# Altium PCB RTM_SFP.PcbDoc (part 1 of 7) (continued)
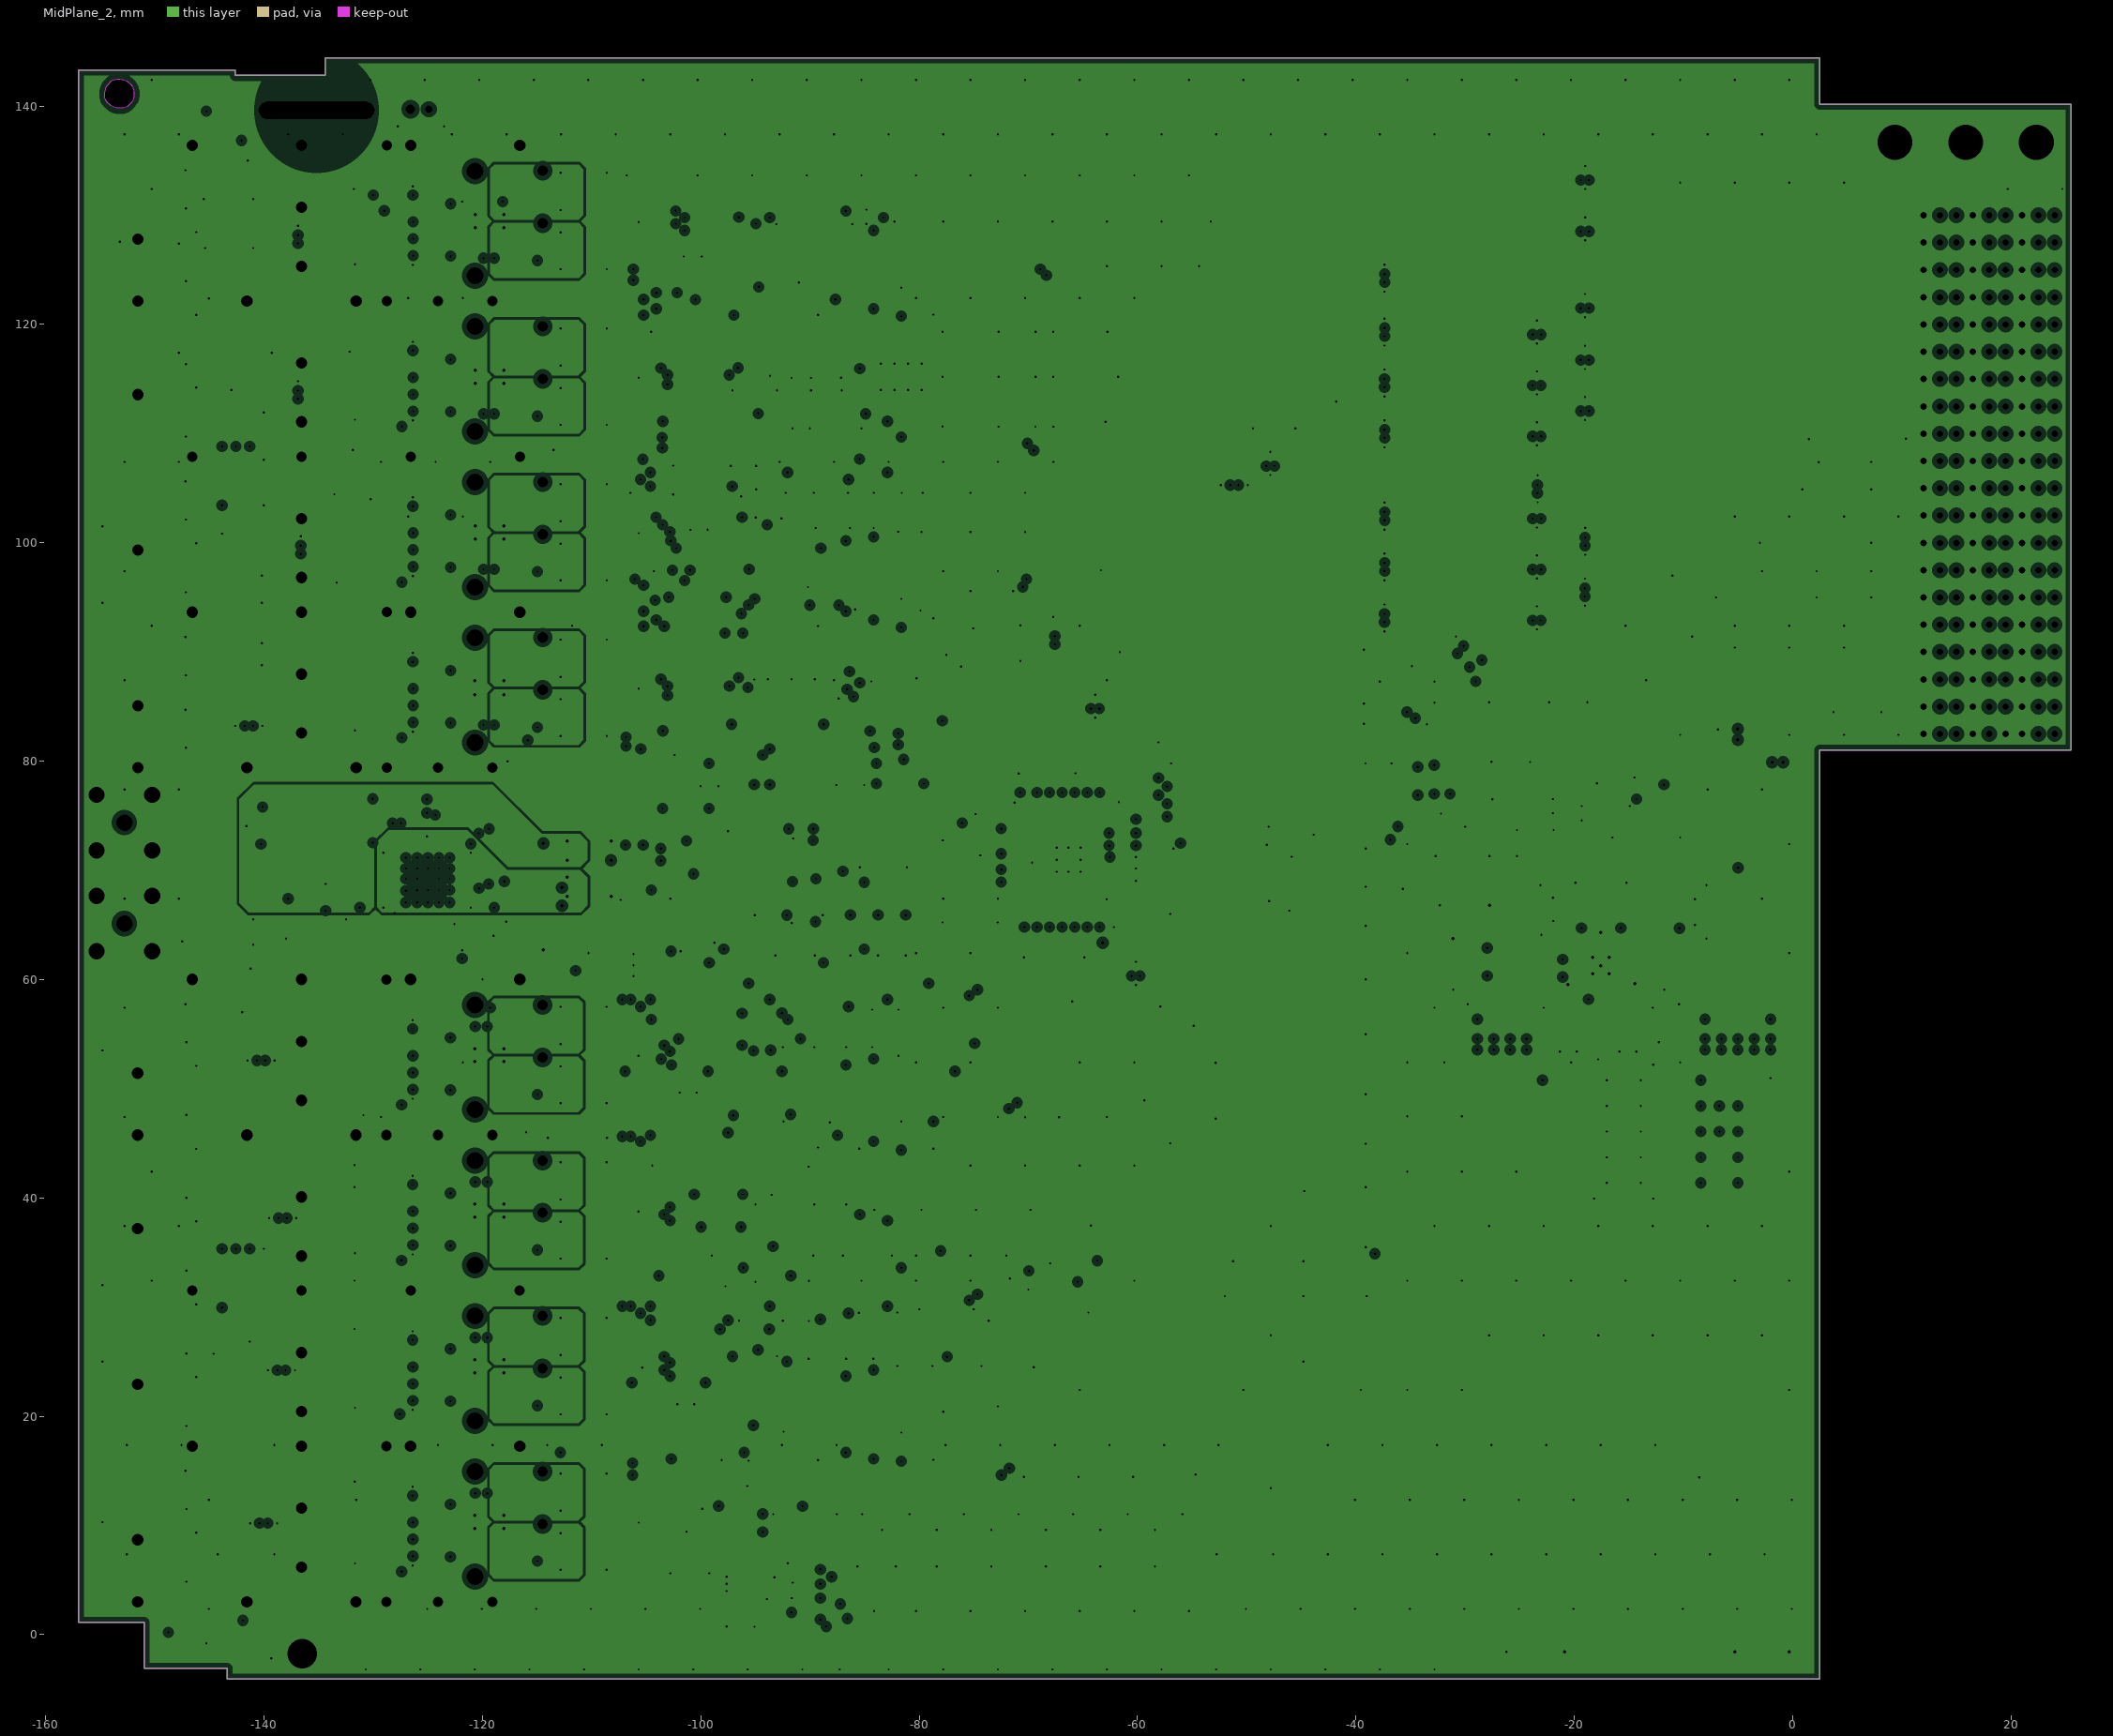
[diagram p3: MidPlane_2, clearances drawn from the general rule]
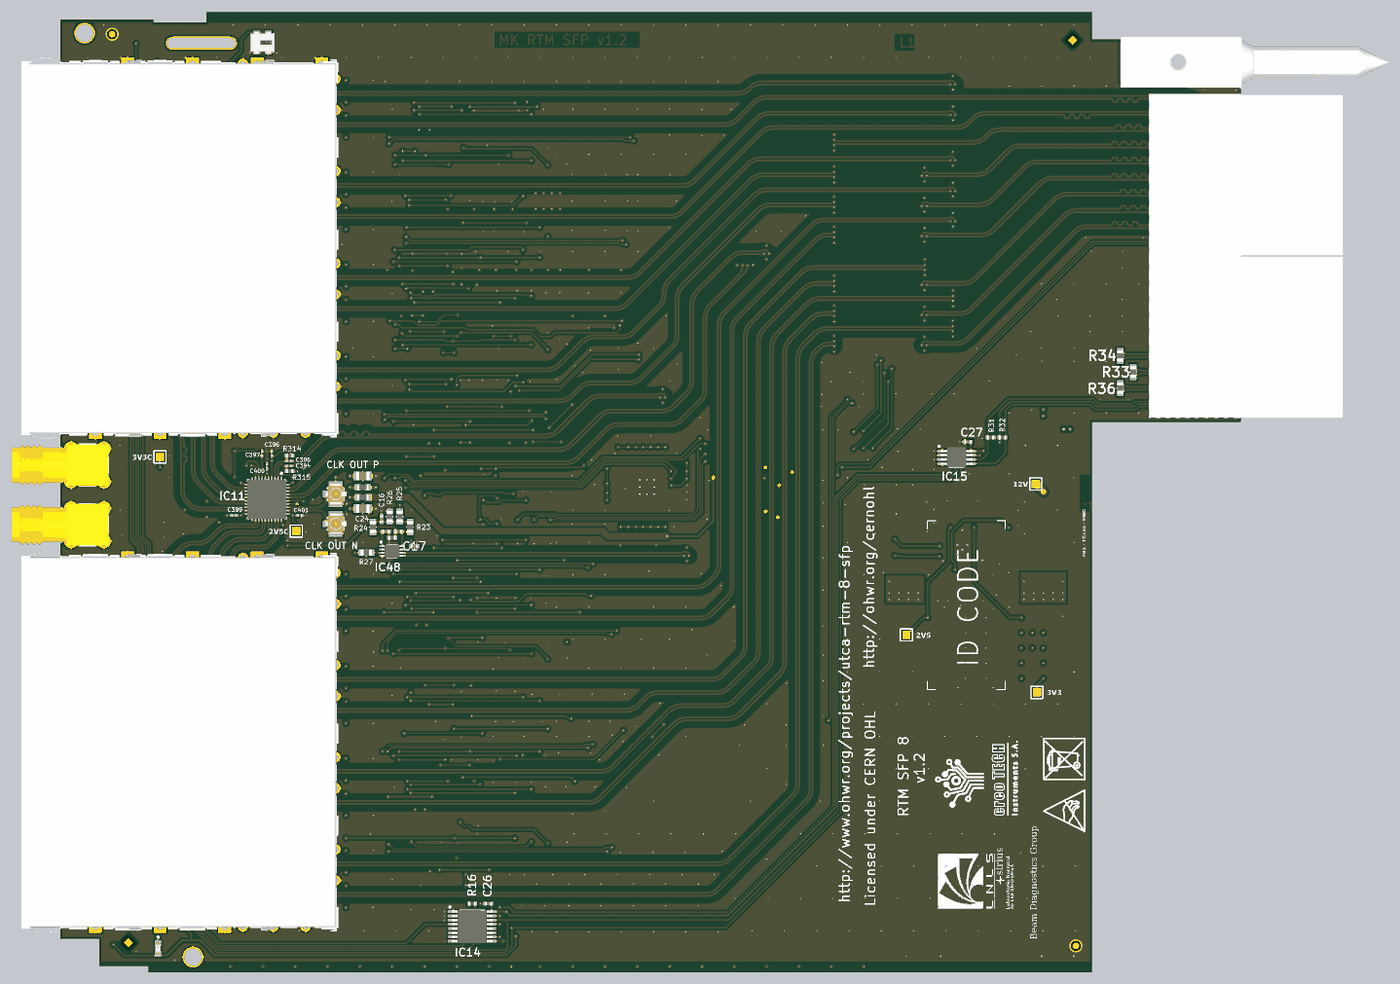
[diagram p10: 3D render of the assembled board from above, using the file's embedded part models]
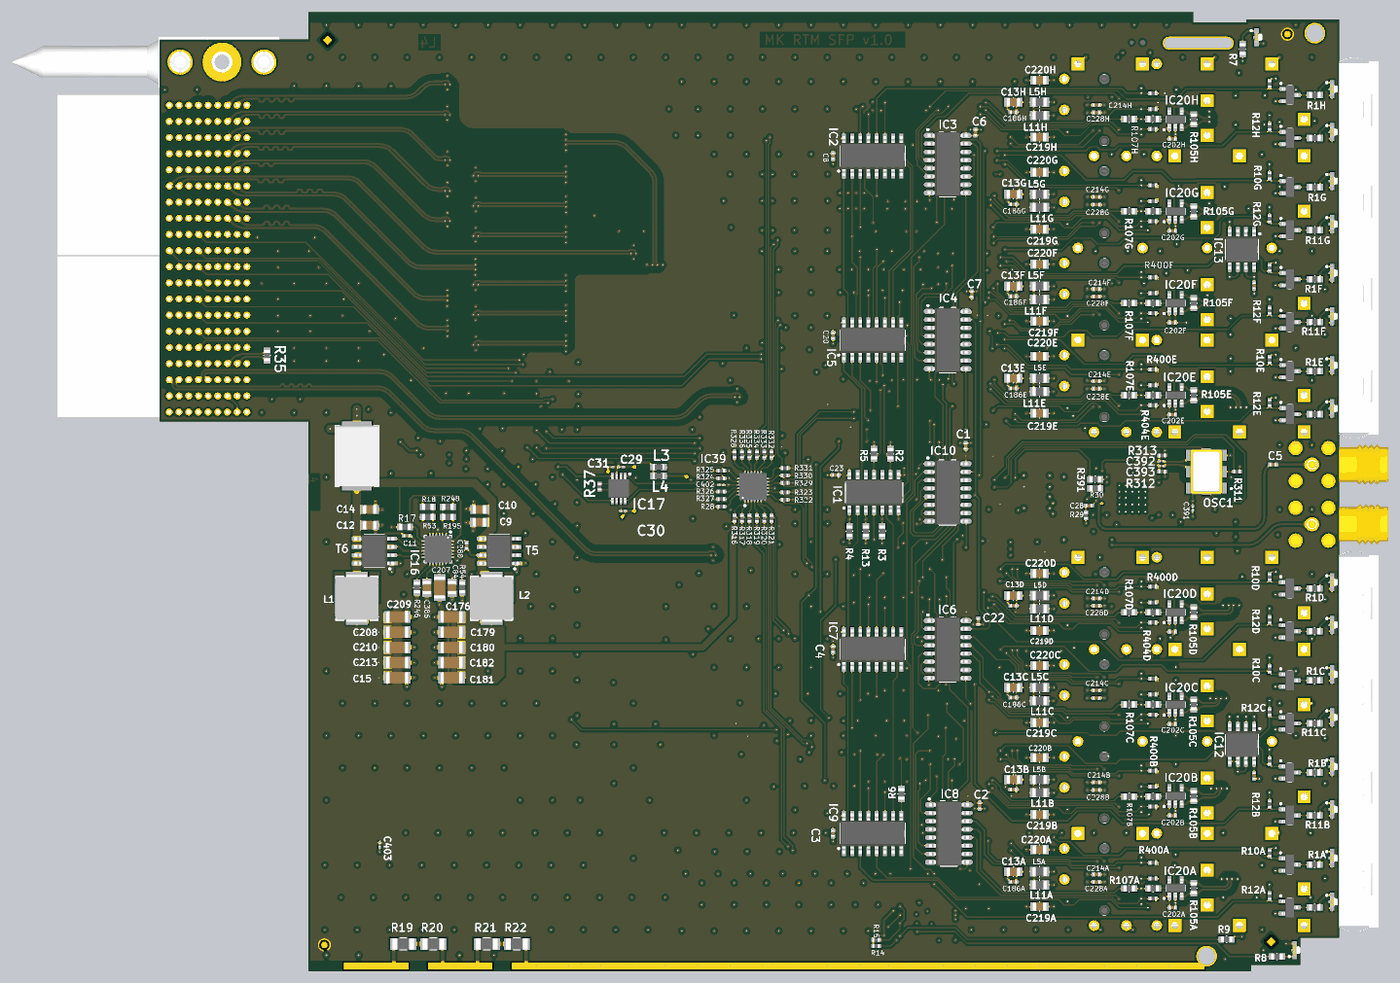
[diagram p11: 3D render of the assembled board from below, using the file's embedded part models]

## Layer stack, top to bottom
Top Solder: solder mask 0.0102, Solder Resist, Dk 3.5
Top Layer: signal copper 0.0356
Dielectric1: prepreg 0.36, FR-4, Dk 4.8
MidPlane_1: plane copper 0.0356, net (Multiple Nets)
Dielectric3: core 0.254, FR-4, Dk 4.2
MidPlane_2: plane copper 0.0356, net (Multiple Nets)
Dielectric2: prepreg 0.127, FR-4, Dk 4.2
Bottom Layer: signal copper 0.0356
Bottom Solder: solder mask 0.0102, Solder Resist, Dk 3.5

## Board outline
-151.001,-3.088 -151.001,1.111 -157,1.111 -157,143.313 -142.639,143.313 -142.639,142.812 -134.399,142.812 -134.399,144.413 2.499,144.413 2.499,140.161 25.499,140.161 25.499,81.012 2.499,81.012 2.499,-4.089 -143.401,-4.089 -143.401,-3.088
cut-out: -153.221,142.469 cw(c-153.221,141.169) -152.301,142.088 cw(c-153.221,141.169) -151.92,141.169 -151.92,141.072 cw(c-153.147,141.072) -152.28,140.205 -152.428,140.056 cw(c-153.042,140.67) -153.042,139.802 -153.317,139.802 cw(c-153.317,141.029) -154.185,140.162 -154.333,140.31 cw(c-153.72,140.924) -154.587,140.924 -154.587,141.199 cw(c-153.361,141.199) -154.228,142.067 -154.079,142.215 cw(c-153.466,141.602) -153.466,142.469

## Design rules (kind name [scope] priority, off if disabled: settings)
Clearance Clearance_KO [OnLayer('Keep-Out Layer')] p1: gap=0.254 ignorepadtopadclearanceinfootprint=FALSE except(0: Arc-Hole Track-Hole SMDPad-Hole THPad-Hole Via-Hole Fill-Hole Poly-Hole Region-Hole Text-Hole)
Clearance Clearance_Poly_DS [(InDifferentialPairClass('All Differential Pairs')) vs InPolygon] p2: gap=1.016 ignorepadtopadclearanceinfootprint=FALSE except(0: Arc-Hole Track-Hole SMDPad-Hole THPad-Hole Via-Hole Fill-Hole Poly-Hole Region-Hole Text-Hole)
Clearance Clearance_Poly [InPolygon] p3: gap=0.3 ignorepadtopadclearanceinfootprint=FALSE except(0: Arc-Hole Track-Hole SMDPad-Hole THPad-Hole Via-Hole Fill-Hole Poly-Hole Region-Hole Text-Hole)
Clearance Clearance_DS&CLK [(InNet('SFP_CLK*') OR InNet('FPGA_CLK*'))] p4: gap=0.152 ignorepadtopadclearanceinfootprint=FALSE except(0: Arc-Hole Track-Hole SMDPad-Hole THPad-Hole Via-Hole Fill-Hole Poly-Hole Region-Hole Text-Hole)
Clearance Clearance_DS&RTM [WithinRoom('U_RTM_Connectors')] p5: gap=0.152 ignorepadtopadclearanceinfootprint=FALSE except(0: Arc-Hole Track-Hole SMDPad-Hole THPad-Hole Via-Hole Fill-Hole Poly-Hole Region-Hole Text-Hole)
Clearance Clearance_DS [All] p6: gap=1.27 ignorepadtopadclearanceinfootprint=FALSE except(0: Arc-Hole Track-Hole SMDPad-Hole THPad-Hole Via-Hole Fill-Hole Poly-Hole Region-Hole Text-Hole)
Clearance [All] p7: gap=0.152 ignorepadtopadclearanceinfootprint=FALSE except(0: Arc-Hole Track-Hole SMDPad-Hole THPad-Hole Via-Hole Fill-Hole Poly-Hole Region-Hole Text-Hole)
DiffPairsRouting [All] p1: maxlimit=0.152 minlimit=0.152 mostfreqgap=0.152 toplayer_minwidth=0.305 toplayer_maxwidth=0.381 toplayer_prefwidth=0.381 bottomlayer_minwidth=0.305 bottomlayer_maxwidth=0.381 bottomlayer_prefwidth=0.381 maxuncoupledlength=12.7
HoleSize [All] p1: absolutevalues=TRUE maxlimit=12 minlimit=0.025 maxpercent=80.000 minpercent=20.000
MinimumSolderMaskSliver [All] p1: minsoldermaskwidth=0
PlaneClearance [All] p1: clearance=0.425
PlaneConnect PlaneConnect_Via [IsVia] p1: planeconnectstyle=Direct reliefexpansion=0.508 reliefentries=4 reliefconductorwidth=0.254 reliefairgap=0.254
PlaneConnect [All] p2: planeconnectstyle=Relief reliefexpansion=0.254 reliefentries=4 reliefconductorwidth=0.254 reliefairgap=0.254
PolygonConnect PolygonConnect_Via [IsVia] p1: connectstyle=Direct reliefconductorwidth=0.254 reliefentries=4 polygonreliefangle="90 Angle" airgapwidth=0.254
PolygonConnect [All] p2: connectstyle=Relief reliefconductorwidth=0.254 reliefentries=4 polygonreliefangle="90 Angle" airgapwidth=0.254
RoomDefinition U_PWR [InComponentClass('U_PWR')] p1: confinementstyle=ConfineIn formatcopy=TRUE lockcomponents=FALSE outline -31.08,44.131 0.59,44.131 0.59,68.871 -31.08,68.871
RoomDefinition RTM_SFP_TOP [InComponentClass('RTM_SFP_TOP')] p2: confinementstyle=ConfineIn formatcopy=TRUE lockcomponents=FALSE outline -161.95,-1.269 -5.02,-1.269 -5.02,137.931 -161.95,137.931
RoomDefinition U_USR_IO_IPMI [InComponentClass('U_USR_IO_IPMI')] p3: confinementstyle=ConfineIn formatcopy=TRUE lockcomponents=FALSE outline -151.43,-2.718 -151.43,1.14 -145.48,1.14 -145.48,142.415 -142.847,142.415 -142.847,142.09 -123.472,142.09 -123.472,79.369 -10.161,79.369 -10.161,77.911 -14.961,77.911 -14.961,73.481 -84.181,73.481 -84.181,-0.909 -141.087,-0.909 -141.087,-2.396 -145.596,-2.396 -145.596,-2.818 -149.154,-2.818 -149.154,-2.718
RoomDefinition U_Serial_Registers [InComponentClass('U_Serial_Registers')] p4: confinementstyle=ConfineIn formatcopy=TRUE lockcomponents=FALSE outline -104.52,9.431 -77.88,9.431 -77.88,128.671 -104.52,128.671
RoomDefinition U_RTM_Connectors [InComponentClass('U_RTM_Connectors')] p5: confinementstyle=ConfineIn formatcopy=TRUE lockcomponents=FALSE outline -2.02,81.01 42.49,81.01 42.49,132.76 -2.02,132.76
RoomDefinition U_I2C_Switch [InComponentClass('U_I2C_Switch')] p6: confinementstyle=ConfineIn formatcopy=TRUE lockcomponents=FALSE outline -72.424,68.201 -72.424,74.544 -69.934,74.544 -69.934,77.074 -62.741,77.074 -62.741,74.149 -60.211,74.149 -60.211,31.149 -54.652,31.149 -54.652,28.96 0.684,28.96 0.684,15.111 -7.931,15.111 -7.931,14.461 -9.189,14.461 -9.189,15.111 -10.184,15.111 -10.184,18.931 -61.845,18.931 -61.845,22.271 -64.335,22.271 -64.335,64.861 -69.934,64.861 -69.934,68.201
RoomDefinition U_Clock_Distribution [InComponentClass('U_Clock_Distribution')] p7: confinementstyle=ConfineIn formatcopy=TRUE lockcomponents=FALSE outline -164.9,62.731 -108.25,62.731 -108.25,78.431 -164.9,78.431
RoomDefinition U_SFP8 [InComponentClass('U_SFP8')] p8: confinementstyle=ConfineIn formatcopy=TRUE lockcomponents=FALSE outline -161.93,121.131 -103.12,121.131 -103.12,137.391 -161.93,137.391
RoomDefinition U_SFP7 [InComponentClass('U_SFP7')] p9: confinementstyle=ConfineIn formatcopy=TRUE lockcomponents=FALSE outline -161.93,106.881 -103.12,106.881 -103.12,123.141 -161.93,123.141
RoomDefinition U_SFP6 [InComponentClass('U_SFP6')] p10: confinementstyle=ConfineIn formatcopy=TRUE lockcomponents=FALSE outline -161.93,92.631 -103.12,92.631 -103.12,108.891 -161.93,108.891
RoomDefinition U_SFP5 [InComponentClass('U_SFP5')] p11: confinementstyle=ConfineIn formatcopy=TRUE lockcomponents=FALSE outline -161.93,78.381 -103.12,78.381 -103.12,94.641 -161.93,94.641
RoomDefinition U_SFP4 [InComponentClass('U_SFP4')] p12: confinementstyle=ConfineIn formatcopy=TRUE lockcomponents=FALSE outline -161.95,44.751 -103.12,44.751 -103.12,61.011 -161.95,61.011
RoomDefinition U_SFP3 [InComponentClass('U_SFP3')] p13: confinementstyle=ConfineIn formatcopy=TRUE lockcomponents=FALSE outline -161.95,30.501 -103.12,30.501 -103.12,46.761 -161.95,46.761
RoomDefinition U_SFP2 [InComponentClass('U_SFP2')] p14: confinementstyle=ConfineIn formatcopy=TRUE lockcomponents=FALSE outline -161.95,16.251 -103.12,16.251 -103.12,32.511 -161.95,32.511
RoomDefinition U_SFP1 [InComponentClass('U_SFP1')] p15: confinementstyle=ConfineIn formatcopy=TRUE lockcomponents=FALSE outline -161.95,2.001 -103.12,2.001 -103.12,18.261 -161.95,18.261
RoutingVias [All] p1: holewidth=0.2 width=0.6 viastyle="Through Hole" minholewidth=0.2 minwidth=0.6 maxholewidth=0.6 maxwidth=1.2
SilkToSilkClearance [All] p1 off: silktosilkclearance=0.152
SilkToSolderMaskClearance SilkscreenOverComponentPads [IsPad] p1: minsilkscreentomaskgap=0 clearancetoexposedcopper=TRUE
SolderMaskExpansion [All] p1: expansion=0.102
Width Width_DS [(InDifferentialPairClass('All Differential Pairs'))] p1: maxlimit=0.305 minlimit=0.152 preferedwidth=0.305
Width [All] p2: maxlimit=1.27 minlimit=0.152 preferedwidth=0.152
23 further rules are at their usual default settings.

## Classes and differential pairs
component class U_Serial_Registers: C1 C2 C3 C4 C6 C7 C8 C20 C22 C23 IC1 IC2 IC3 IC4 IC5 IC6 IC7 IC8 IC9 IC10 R2 R3 R4 R5 R6 R13
component class U_RTM_Connectors: C16 C17 C18 C19 C29 C30 C31 F1 IC17 IC48 J1 J2 J3 J6 R23 R24 R25 R26 R27 R33 R34 R35 R36 R37 R211
component class U_I2C_Switch: C402 C403 IC39 R28 R316 R317 R318 R319 R320 R321 R322 R323 R324 R325 R326 R327 R328 R329 R330 R331 R332 R333 R334 R335 R336
component class U_Clock_Distribution: C5 C24 C28 C390 C391 C392 C393 C394 C395 C396 C397 C399 C400 C401 IC11 J4 J12 J13 L19 L20 OSC1 R29 R30 R311 R312 R313 R314 R315 R391 TP_2V5_clean TP_3V3_clean
component class RTM_SFP_TOP: Cage1 Cage2 FTG1 FTG2 FTG3 FTG4 FTG5 FTG6 FTG7 FTG8 R19 R20 R21 R22
component class U_USR_IO_IPMI: C21 C25 C26 C27 IC12 IC13 IC14 IC15 LDx LDy LED17 PB1 R7 R8 R9 R14 R15 R16 R31 R32
component class U_SFP1: C13A C186A C202A C214A C219A C220A C228A IC20A J5A L5A L11A LD1A LD2A R1A R10A R11A R12A R105A R107A R109A R400A R403A R404A T1A T2A
component class U_SFP2: C13B C186B C202B C214B C219B C220B C228B IC20B J5B L5B L11B LD1B LD2B R1B R10B R11B R12B R105B R107B R109B R400B R403B R404B T1B T2B
component class U_SFP3: C13C C186C C202C C214C C219C C220C C228C IC20C J5C L5C L11C LD1C LD2C R1C R10C R11C R12C R105C R107C R109C R400C R403C R404C T1C T2C
component class U_SFP4: C13D C186D C202D C214D C219D C220D C228D IC20D J5D L5D L11D LD1D LD2D R1D R10D R11D R12D R105D R107D R109D R400D R403D R404D T1D T2D
component class U_SFP5: C13E C186E C202E C214E C219E C220E C228E IC20E J5E L5E L11E LD1E LD2E R1E R10E R11E R12E R105E R107E R109E R400E R403E R404E T1E T2E
component class U_SFP6: C13F C186F C202F C214F C219F C220F C228F IC20F J5F L5F L11F LD1F LD2F R1F R10F R11F R12F R105F R107F R109F R400F R403F R404F T1F T2F
component class U_SFP7: C13G C186G C202G C214G C219G C220G C228G IC20G J5G L5G L11G LD1G LD2G R1G R10G R11G R12G R105G R107G R109G R400G R403G R404G T1G T2G
component class U_SFP8: C13H C186H C202H C214H C219H C220H C228H IC20H J5H L5H L11H LD1H LD2H R1H R10H R11H R12H R105H R107H R109H R400H R403H R404H T1H T2H
channel class SFP: U_SFP1 U_SFP2 U_SFP3 U_SFP4 U_SFP5 U_SFP6 U_SFP7 U_SFP8
component class U_PWR: C9 C10 C11 C12 C14 C15 C84 C176 C179 C180 C181 C182 C207 C208 C209 C210 C213 C280 C386 IC16 L1 L2 R17 R18 R53 R54 R195 R246 R248 T5 T6 TP_2V5 TP_3V3 TP_12V
differential pair SYNC_CLK: +SYNC_CLK_P -SYNC_CLK_N
differential pair SI_CLK: +SI_CLK_P -SI_CLK_N
differential pair SFP_CLK8.CLOCK: +SFP_CLK8.CLOCK_P -SFP_CLK8.CLOCK_N
differential pair SFP_CLK7.CLOCK: +SFP_CLK7.CLOCK_P -SFP_CLK7.CLOCK_N
differential pair SFP_CLK6.CLOCK: +SFP_CLK6.CLOCK_P -SFP_CLK6.CLOCK_N
differential pair SFP_CLK5.CLOCK: +SFP_CLK5.CLOCK_P -SFP_CLK5.CLOCK_N
differential pair SFP_CLK4.CLOCK: +SFP_CLK4.CLOCK_P -SFP_CLK4.CLOCK_N
differential pair SFP_CLK3.CLOCK: +SFP_CLK3.CLOCK_P -SFP_CLK3.CLOCK_N
differential pair SFP_CLK2.CLOCK: +SFP_CLK2.CLOCK_P -SFP_CLK2.CLOCK_N
differential pair SFP_CLK1.CLOCK: +SFP_CLK1.CLOCK_P -SFP_CLK1.CLOCK_N
differential pair SFP8TX: +SFP8TX_P -SFP8TX_N
differential pair SFP8RX: +SFP8RX_P -SFP8RX_N
differential pair SFP7TX: +SFP7TX_P -SFP7TX_N
differential pair SFP7RX: +SFP7RX_P -SFP7RX_N
differential pair SFP6TX: +SFP6TX_P -SFP6TX_N
differential pair SFP6RX: +SFP6RX_P -SFP6RX_N
differential pair SFP5TX: +SFP5TX_P -SFP5TX_N
differential pair SFP5RX: +SFP5RX_P -SFP5RX_N
differential pair SFP4TX: +SFP4TX_P -SFP4TX_N
differential pair SFP4RX: +SFP4RX_P -SFP4RX_N
differential pair SFP3TX: +SFP3TX_P -SFP3TX_N
differential pair SFP3RX: +SFP3RX_P -SFP3RX_N
differential pair SFP2TX: +SFP2TX_P -SFP2TX_N
differential pair SFP2RX: +SFP2RX_P -SFP2RX_N
differential pair SFP1TX: +SFP1TX_P -SFP1TX_N
differential pair SFP1RX: +SFP1RX_P -SFP1RX_N
differential pair FPGA_CLK1: +FPGA_CLK1_P -FPGA_CLK1_N
differential pair FPGA_CLK2: +FPGA_CLK2_P -FPGA_CLK2_N
differential pair CLK_EXT: +CLK_EXT_P -CLK_EXT_N

## Components (designator, comment, footprint, x,y, rotation, side; value= is the part's Value field where it differs from the comment)
C1 "100nF" CAPC1005X55N -99.224,77.249 r90 bottom
C2 "100nF" CAPC1005X55N -101.397,21.539 r270 bottom
C3 "100nF" CAPC1005X55N -78.7,17.256 r270 bottom
C4 "100nF" CAPC1005X55N -78.7,45.756 r270 bottom
C5 "100nF" CAPC1005X55N -146.775,74.376 r180 bottom
C6 "100nF" CAPC1005X55N -100.736,125.781 r90 bottom
C7 "100nF" CAPC1005X55N -100.178,100.743 r90 bottom
C8 "100nF" CAPC1005X55N -78.7,122.136 r270 bottom
C9 "10uF" CAPC2012X135N -23.965,65.435 r180 bottom
C10 "10uF" CAPC2012X135N -23.987,67.411 r180 bottom
C11 "100nF" CAPC1005X55N -12.751,63.375 r180 bottom
C12 "10uF" CAPC2012X135N -7,64.98 r0 bottom
C13A "10uF" CAPC2012X135N -106.6,11.35 r0 bottom (schematic designator C13)
C13B "10uF" CAPC2012X135N -106.6,25.6 r0 bottom (schematic designator C13)
C13C "10uF" CAPC2012X135N -106.6,39.85 r0 bottom (schematic designator C13)
C13D "10uF" CAPC2012X135N -106.6,54.1 r0 bottom (schematic designator C13)
C13E "10uF" CAPC2012X135N -106.6,87.73 r0 bottom (schematic designator C13)
C13F "10uF" CAPC2012X135N -106.6,101.98 r0 bottom (schematic designator C13)
C13G "10uF" CAPC2012X135N -106.6,116.23 r0 bottom (schematic designator C13)
C13H "10uF" CAPC2012X135N -106.6,130.48 r0 bottom (schematic designator C13)
C14 "10uF" CAPC2012X135N -7,67.412 r0 bottom
C15 "22uF" CAPC3216X180N -11.27,41.37 r0 bottom
C16 "100nF" CAPC1005X55N -107.36,66.03 r90 top
C17 "100nF" CAPC1005X55N -102.29,61.81 r0 top
C18 "100nF" CAPC1005X55N -104.763,64.08 r0 top
C19 "100nF" CAPC1005X55N -106.663,64.08 r180 top
C20 "100nF" CAPC1005X55N -78.7,94.336 r270 bottom
C21 "100nF" CAPC1005X55N -143.86,26.17 r270 bottom
C22 "100nF" CAPC1005X55N -101.168,50.089 r270 bottom
C23 "100nF" CAPC1005X55N -79.09,72.75 r0 bottom
C24 "10uF" CAPC2012X135N -110.23,67.63 r180 top
C25 "100nF" CAPC1005X55N -143.86,102.075 r270 bottom
C26 "100nF" CAPC1005X55N -90.83,6.54 r180 top
C27 "100nF" CAPC1005X55N -16.69,77.97 r180 top
C28 "100nF" CAPC1005X55N -118.279,68 r180 bottom
C29 "100nF" CAPC0603X33N -45.925,74 r180 bottom
C30 "100nF" CAPC0603X33N -46.225,67.2 r180 bottom
C31 "100nF" CAPC0603X33N -44.225,74 r0 bottom
C84 "10uF" CAPC2012X135N -19.76,55.33 r270 bottom
C176 "22uF" CAPC3216X180N -19.67,50.77 r180 bottom
C179 "22uF" CAPC3216X180N -19.67,48.42 r180 bottom
C180 "22uF" CAPC3216X180N -19.67,46.07 r180 bottom
C181 "22uF" CAPC3216X180N -19.67,41.37 r180 bottom
C182 "22uF" CAPC3216X180N -19.67,43.72 r180 bottom
C186A "100nF" CAPC1005X55N -106.61,9.79 r0 bottom (schematic designator C186)
C186B "100nF" CAPC1005X55N -106.6,24.04 r0 bottom (schematic designator C186)
C186C "100nF" CAPC1005X55N -106.6,38.29 r0 bottom (schematic designator C186)
C186D "100nF" CAPC1005X55N -106.6,52.54 r0 bottom (schematic designator C186)
C186E "100nF" CAPC1005X55N -106.6,86.18 r0 bottom (schematic designator C186)
C186F "100nF" CAPC1005X55N -106.6,100.42 r0 bottom (schematic designator C186)
C186G "100nF" CAPC1005X55N -106.6,114.67 r0 bottom (schematic designator C186)
C186H "100nF" CAPC1005X55N -106.6,128.93 r0 bottom (schematic designator C186)
C202A "100nF" CAPC1005X55N -131.21,5.79 r0 bottom (schematic designator C202)
C202B "100nF" CAPC1005X55N -131.21,20.04 r0 bottom (schematic designator C202)
C202C "100nF" CAPC1005X55N -131.21,34.19 r0 bottom (schematic designator C202)
C202D "100nF" CAPC1005X55N -131.21,48.49 r0 bottom (schematic designator C202)
C202E "100nF" CAPC1005X55N -131.21,82.09 r0 bottom (schematic designator C202)
C202F "100nF" CAPC1005X55N -131.21,96.35 r0 bottom (schematic designator C202)
C202G "100nF" CAPC1005X55N -131.21,110.55 r0 bottom (schematic designator C202)
C202H "100nF" CAPC1005X55N -131.21,124.79 r0 bottom (schematic designator C202)
C207 "22uF" CAPC3216X180N -17.81,55.33 r90 bottom
C208 "22uF" CAPC3216X180N -11.27,48.42 r0 bottom
C209 "22uF" CAPC3216X180N -11.27,50.77 r0 bottom
C210 "22uF" CAPC3216X180N -11.27,46.07 r0 bottom
C213 "22uF" CAPC3216X180N -11.27,43.72 r0 bottom
C214A "100nF" CAPC1005X55N -119.45,10.92 r180 bottom (schematic designator C214)
C214B "100nF" CAPC1005X55N -119.45,25.17 r180 bottom (schematic designator C214)
C214C "100nF" CAPC1005X55N -119.45,39.42 r180 bottom (schematic designator C214)
C214D "100nF" CAPC1005X55N -119.45,53.67 r180 bottom (schematic designator C214)
C214E "100nF" CAPC1005X55N -119.45,87.3 r180 bottom (schematic designator C214)
C214F "100nF" CAPC1005X55N -119.45,101.55 r180 bottom (schematic designator C214)
C214G "100nF" CAPC1005X55N -119.45,115.8 r180 bottom (schematic designator C214)
C214H "100nF" CAPC1005X55N -119.45,130.05 r180 bottom (schematic designator C214)
C219A "10uF" CAPC2012X135N -110.65,5.93 r0 bottom (schematic designator C219)
C219B "10uF" CAPC2012X135N -110.65,20.18 r0 bottom (schematic designator C219)
C219C "10uF" CAPC2012X135N -110.65,34.43 r0 bottom (schematic designator C219)
C219D "10uF" CAPC2012X135N -110.65,48.68 r0 bottom (schematic designator C219)
C219E "10uF" CAPC2012X135N -110.65,82.31 r0 bottom (schematic designator C219)
C219F "10uF" CAPC2012X135N -110.65,96.56 r0 bottom (schematic designator C219)
C219G "10uF" CAPC2012X135N -110.65,110.81 r0 bottom (schematic designator C219)
C219H "10uF" CAPC2012X135N -110.65,125.06 r0 bottom (schematic designator C219)
C220A "10uF" CAPC2012X135N -110.65,14.75 r0 bottom (schematic designator C220)
C220B "10uF" CAPC2012X135N -110.65,29 r0 bottom (schematic designator C220)
C220C "10uF" CAPC2012X135N -110.65,43.25 r0 bottom (schematic designator C220)
C220D "10uF" CAPC2012X135N -110.65,57.5 r0 bottom (schematic designator C220)
C220E "10uF" CAPC2012X135N -110.65,91.13 r0 bottom (schematic designator C220)
C220F "10uF" CAPC2012X135N -110.65,105.38 r0 bottom (schematic designator C220)
C220G "10uF" CAPC2012X135N -110.65,119.63 r0 bottom (schematic designator C220)